# KiCad board sizif128.kicad_pcb (continued)
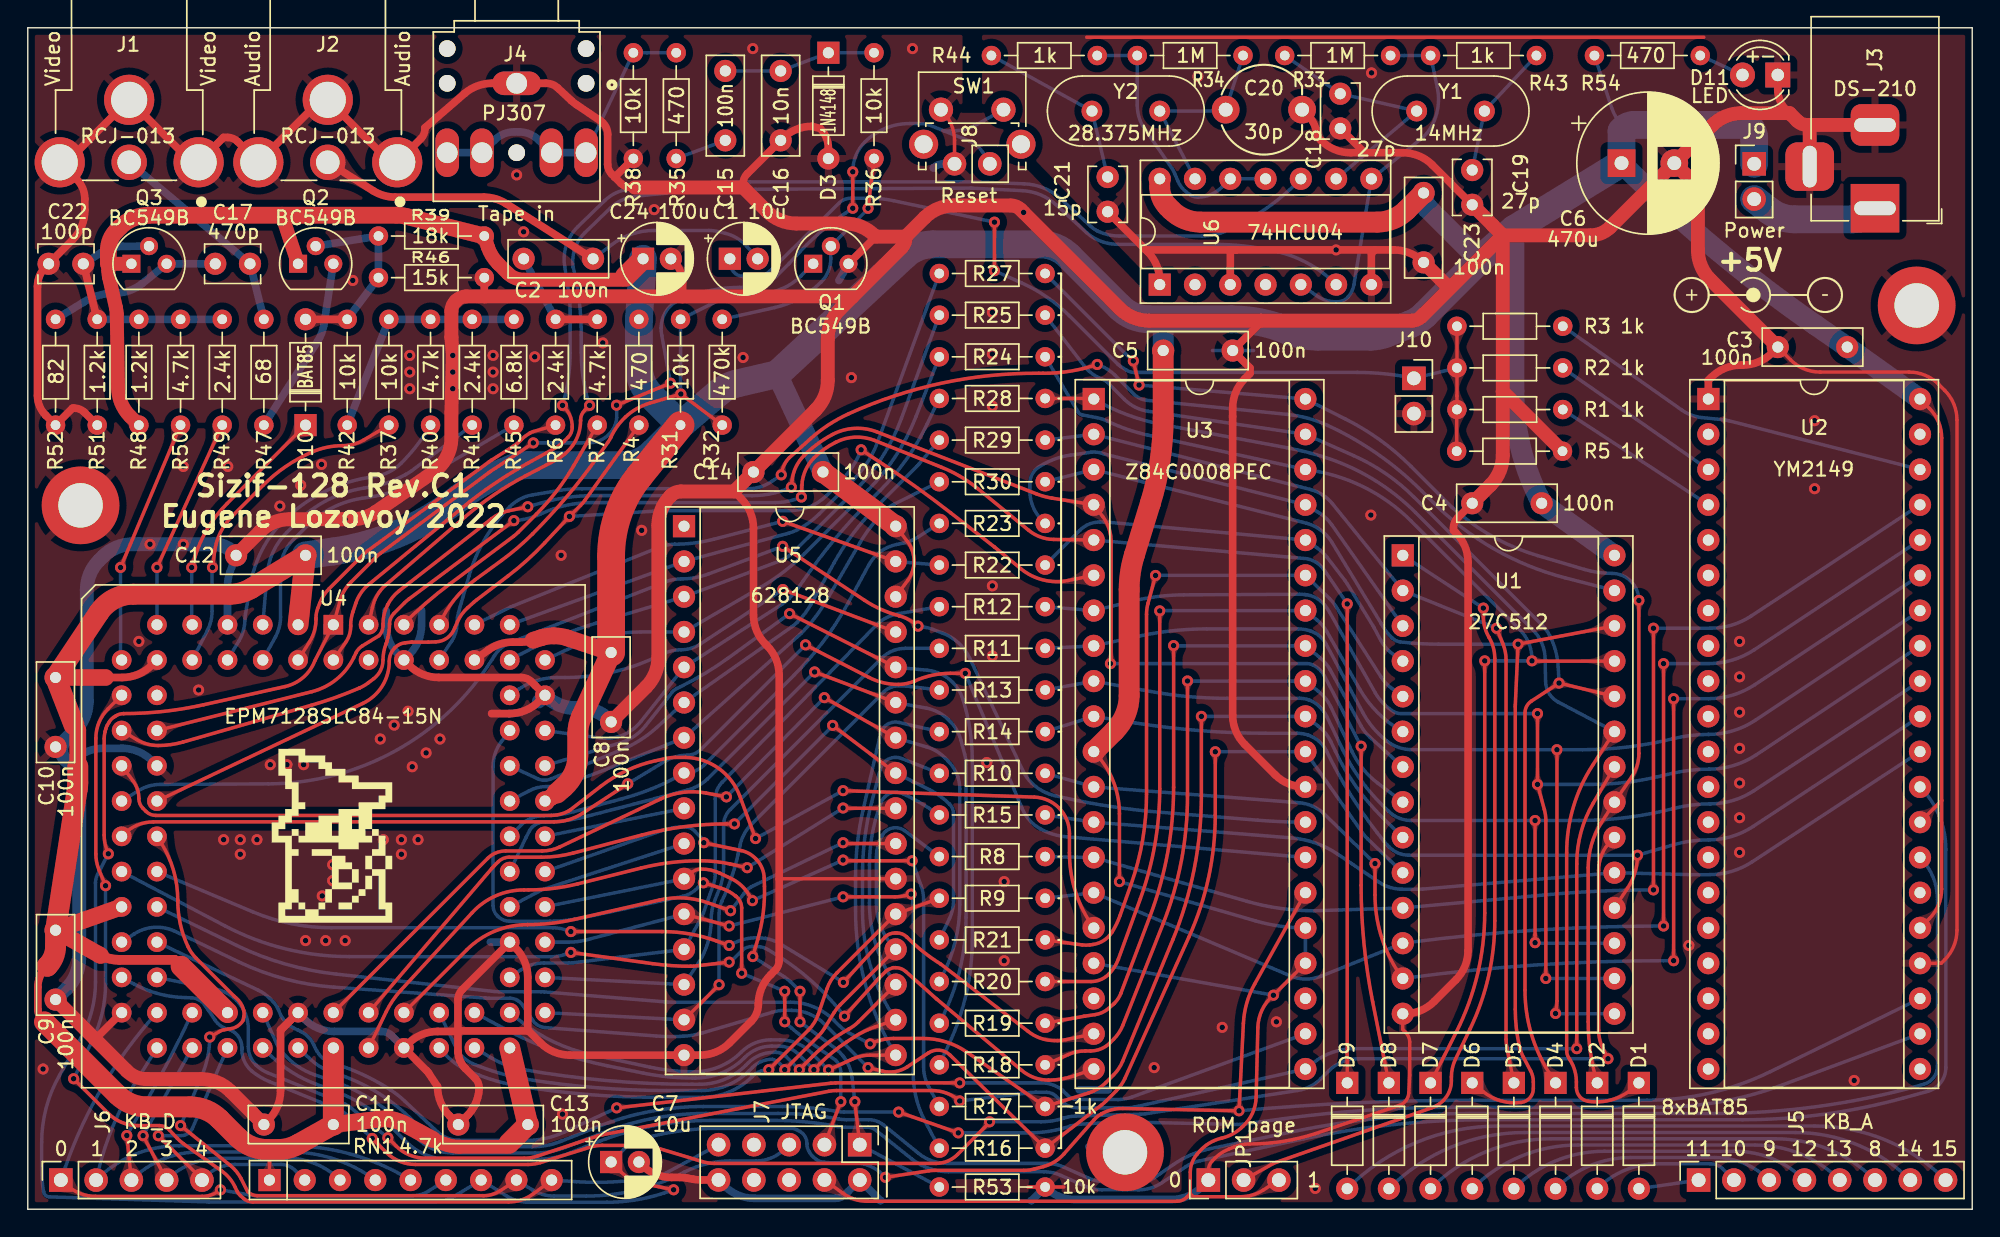
[diagram p0: board, top side]
## Copper pours and planes (outline as drawn; the poured copper is in the pictures) (continued)
A10 on Bottom: 94.18,57.4 93.92,57.54 93.71,57.66 93.54,57.78 93.39,57.9 93.26,58.03 93.15,58.16 93.03,58.3 92.91,58.46 92.78,58.64 92.62,58.85 91.63,58.54 91.98,57.56 92.24,57.56 92.47,57.56 92.67,57.56 92.85,57.56 93.02,57.54 93.19,57.52 93.38,57.47 93.58,57.4 93.81,57.3 94.07,57.18
A10 on Bottom: 78.63,61.84 78.74,61.73 78.83,61.64 78.9,61.55 78.96,61.48 79.01,61.4 79.05,61.33 79.09,61.25 79.14,61.16 79.23,60.94 79.75,60.97 79.7,61.49 79.58,61.52 79.48,61.55 79.39,61.58 79.31,61.62 79.23,61.66 79.16,61.7 79.08,61.76 79,61.83 78.91,61.92 78.81,62.02
A11 on Top: 114,7.75 114.31,7.83 115.32,8.1 115.5,8.15 115.7,8.2 115.93,8.26 116.19,8.32 116.31,9.36 115.27,9.43 115.17,9.21 115.09,9 115.01,8.82 114.92,8.65 114.83,8.51 114.72,8.38 114.58,8.26 114.41,8.16 114.2,8.07 113.94,7.99
A11 on Top: 74.64,58.52 74.48,58.53 74.34,58.56 74.23,58.59 74.14,58.64 74.05,58.69 73.97,58.75 73.88,58.82 73.79,58.89 73.68,58.96 73.56,59.03 72.9,58.4 73.56,57.77 73.68,57.84 73.79,57.91 73.88,57.98 73.97,58.05 74.05,58.11 74.14,58.16 74.23,58.21 74.34,58.24 74.48,58.27 74.64,58.27
A11 on Top: 74.35,58.27 74.64,58.27 74.89,58.25 75.1,58.23 75.28,58.19 75.45,58.13 75.61,58.07 75.77,57.99 75.94,57.89 76.14,57.78 76.37,57.66 77.15,58.34 76.44,59.1 76.2,58.99 75.99,58.89 75.8,58.81 75.64,58.73 75.47,58.67 75.3,58.62 75.11,58.58 74.9,58.55 74.65,58.53 74.35,58.52
A11 on Top: 113.48,33 113.59,33.15 113.7,33.26 113.8,33.35 113.91,33.41 114.01,33.46 114.12,33.49 114.24,33.53 114.37,33.58 114.51,33.63 114.65,33.72 114.46,34.74 113.45,34.5 113.43,34.33 113.43,34.18 113.45,34.05 113.46,33.93 113.47,33.81 113.47,33.69 113.46,33.57 113.42,33.44 113.36,33.3 113.27,33.13
A11 on Top: 75.34,58.52 75.08,58.53 74.87,58.54 74.68,58.57 74.52,58.6 74.37,58.64 74.23,58.7 74.09,58.76 73.93,58.84 73.76,58.93 73.56,59.03 72.9,58.4 73.56,57.77 73.76,57.87 73.93,57.96 74.09,58.04 74.23,58.1 74.37,58.16 74.52,58.2 74.68,58.23 74.87,58.26 75.08,58.27 75.34,58.27
A11 on Top: 75.15,58.27 75.34,58.27 75.49,58.24 75.61,58.2 75.72,58.14 75.82,58.07 75.91,58 76,57.92 76.1,57.83 76.22,57.75 76.37,57.66 77.15,58.34 76.44,59.1 76.28,59.02 76.15,58.94 76.04,58.87 75.94,58.79 75.84,58.72 75.74,58.66 75.63,58.6 75.5,58.56 75.34,58.53 75.15,58.52
A11 on Top: 113.04,32.33 113.21,32.57 113.36,32.77 113.5,32.93 113.63,33.06 113.77,33.17 113.91,33.27 114.06,33.37 114.23,33.47 114.43,33.58 114.65,33.72 114.46,34.74 113.45,34.5 113.42,34.24 113.39,34.02 113.37,33.82 113.35,33.64 113.31,33.47 113.27,33.3 113.2,33.12 113.11,32.93 112.99,32.71 112.83,32.46
A11 on Top: 114.77,8.04 114.96,8.12 115.11,8.18 115.25,8.21 115.38,8.23 115.49,8.24 115.74,8.25 115.87,8.27 116.02,8.29 116.19,8.32 116.31,9.36 115.27,9.43 115.21,9.28 115.17,9.13 115.15,9 115.12,8.87 115.1,8.76 115.06,8.65 115.01,8.54 114.93,8.44 114.82,8.35 114.66,8.26
A11 on Bottom: 78.96,57.44 78.69,57.55 78.47,57.65 78.29,57.76 78.14,57.87 78.01,57.99 77.9,58.12 77.79,58.27 77.67,58.43 77.55,58.61 77.4,58.83 76.4,58.55 76.71,57.56 76.98,57.55 77.41,57.54 77.59,57.53 77.77,57.51 77.94,57.49 78.13,57.45 78.34,57.39 78.58,57.31 78.86,57.2
A11 on Bottom: 112.77,35.03 112.94,34.93 113.06,34.84 113.15,34.74 113.22,34.64 113.28,34.54 113.33,34.43 113.38,34.32 113.43,34.2 113.5,34.07 113.6,33.93 114.59,34.21 114.27,35.2 114.1,35.2 113.95,35.18 113.82,35.16 113.7,35.13 113.58,35.11 113.46,35.1 113.34,35.1 113.21,35.12 113.06,35.17 112.89,35.25
A11 on Bottom: 112.07,35.4 112.32,35.26 112.53,35.13 112.71,35.01 112.85,34.89 112.98,34.76 113.09,34.63 113.2,34.48 113.31,34.32 113.44,34.14 113.6,33.93 114.59,34.21 114.27,35.2 114.01,35.21 113.78,35.21 113.58,35.21 113.4,35.22 113.23,35.24 113.05,35.27 112.87,35.32 112.67,35.39 112.44,35.49 112.18,35.62
A11 on Bottom: 78.22,57.74 78.06,57.83 77.93,57.92 77.84,58.01 77.77,58.1 77.71,58.21 77.66,58.31 77.62,58.43 77.56,58.55 77.49,58.68 77.4,58.83 76.4,58.55 76.71,57.56 76.88,57.56 77.03,57.57 77.17,57.59 77.29,57.62 77.41,57.64 77.53,57.65 77.65,57.65 77.79,57.63 77.94,57.59 78.12,57.52
A12 on Top: 106.41,11.42 106.46,11.13 106.5,10.89 106.51,10.67 106.5,10.49 106.49,10.31 106.45,10.14 106.41,9.96 106.36,9.77 106.29,9.55 106.23,9.3 107.08,8.71 107.64,9.58 107.48,9.79 107.34,9.97 107.22,10.12 107.11,10.27 107.01,10.41 106.93,10.57 106.85,10.74 106.78,10.94 106.72,11.18 106.66,11.47
A12 on Top: 106.31,40.8 106.26,40.93 106.22,41.04 106.19,41.15 106.16,41.24 106.15,41.32 106.14,41.41 106.14,41.5 106.14,41.59 106.14,41.7 106.15,41.82 105.67,42.04 105.48,41.55 105.57,41.47 105.65,41.4 105.72,41.33 105.78,41.26 105.83,41.2 105.88,41.12 105.93,41.04 105.98,40.95 106.03,40.83 106.08,40.7
A12 on Top: 106.57,10.64 106.6,10.45 106.6,10.29 106.58,10.16 106.55,10.04 106.5,9.94 106.45,9.83 106.39,9.72 106.33,9.6 106.28,9.46 106.23,9.3 107.08,8.71 107.64,9.58 107.53,9.71 107.43,9.82 107.32,9.91 107.23,9.98 107.14,10.06 107.06,10.14 106.98,10.24 106.92,10.36 106.86,10.5 106.81,10.68
A12 on Bottom: 75.19,55.51 75.37,55.52 75.53,55.51 75.66,55.48 75.77,55.44 75.88,55.39 75.98,55.33 76.08,55.26 76.2,55.19 76.33,55.13 76.49,55.06 77.15,55.87 76.32,56.49 76.18,56.4 76.07,56.3 75.97,56.2 75.89,56.12 75.8,56.03 75.71,55.96 75.61,55.89 75.49,55.83 75.34,55.79 75.16,55.75
A12 on Bottom: 97.9,45.72 98.01,45.57 98.09,45.43 98.14,45.3 98.16,45.18 98.17,45.07 98.17,44.95 98.17,44.83 98.18,44.69 98.19,44.54 98.22,44.38 99.25,44.25 99.34,45.28 99.18,45.35 99.04,45.39 98.91,45.42 98.79,45.45 98.67,45.48 98.56,45.51 98.45,45.56 98.34,45.63 98.22,45.73 98.1,45.87
A12 on Bottom: 79.1,55.35 78.81,55.43 78.58,55.51 78.38,55.59 78.21,55.67 78.06,55.76 77.92,55.87 77.78,55.98 77.63,56.11 77.46,56.26 77.27,56.43 76.36,55.92 76.91,55.04 77.16,55.09 77.38,55.14 77.58,55.18 77.76,55.22 77.93,55.24 78.11,55.25 78.3,55.24 78.51,55.22 78.75,55.18 79.04,55.11
A12 on Bottom: 74.39,55.41 74.68,55.44 74.93,55.45 75.14,55.45 75.33,55.43 75.5,55.4 75.67,55.35 75.85,55.3 76.03,55.23 76.24,55.15 76.49,55.06 77.15,55.87 76.32,56.49 76.1,56.35 75.91,56.22 75.75,56.11 75.59,56.02 75.44,55.93 75.28,55.86 75.1,55.8 74.9,55.75 74.65,55.7 74.36,55.66
A12 on Bottom: 97.4,46.34 97.58,46.11 97.72,45.91 97.83,45.72 97.92,45.55 97.98,45.39 98.03,45.22 98.08,45.05 98.12,44.85 98.16,44.63 98.22,44.38 99.25,44.25 99.34,45.28 99.1,45.39 98.9,45.48 98.72,45.57 98.55,45.64 98.4,45.73 98.25,45.83 98.11,45.95 97.95,46.09 97.78,46.27 97.59,46.5
A12 on Bottom: 78.32,55.55 78.14,55.6 78,55.67 77.89,55.74 77.8,55.82 77.72,55.91 77.65,56 77.57,56.1 77.49,56.21 77.39,56.32 77.27,56.43 76.36,55.92 76.91,55.04 77.07,55.08 77.21,55.13 77.34,55.18 77.45,55.23 77.56,55.28 77.67,55.32 77.79,55.35 77.92,55.35 78.08,55.34 78.26,55.31
A12 on Bottom: 100.52,44.08 100.35,44.16 100.22,44.24 100.12,44.33 100.04,44.42 99.97,44.52 99.91,44.62 99.85,44.73 99.78,44.84 99.7,44.97 99.59,45.1 98.63,44.71 99.06,43.76 99.22,43.78 99.37,43.81 99.5,43.85 99.62,43.89 99.73,43.92 99.84,43.94 99.96,43.95 100.1,43.94 100.25,43.91 100.43,43.85
A12 on Bottom: 74.62,55.69 74.45,55.68 74.32,55.68 74.2,55.71 74.1,55.74 74.01,55.78 73.92,55.84 73.83,55.89 73.73,55.95 73.61,56.01 73.48,56.06 72.9,55.36 73.63,54.81 73.75,54.9 73.85,54.98 73.93,55.06 74.01,55.13 74.08,55.21 74.16,55.27 74.25,55.33 74.35,55.38 74.48,55.41 74.64,55.44
A12 on Bottom: 104.6,42.18 104.73,42.12 104.84,42.07 104.94,42.03 105.02,41.98 105.1,41.93 105.16,41.88 105.23,41.82 105.3,41.75 105.37,41.67 105.45,41.58 105.94,41.78 105.72,42.25 105.6,42.24 105.49,42.24 105.4,42.23 105.31,42.24 105.22,42.24 105.14,42.26 105.04,42.28 104.94,42.32 104.83,42.36 104.69,42.41
A12 on Bottom: 101.26,43.79 100.99,43.9 100.77,44.01 100.59,44.11 100.43,44.22 100.29,44.33 100.17,44.45 100.04,44.58 99.91,44.73 99.77,44.9 99.59,45.1 98.63,44.71 99.06,43.76 99.32,43.78 99.54,43.8 99.74,43.82 99.92,43.83 100.09,43.83 100.27,43.82 100.46,43.79 100.66,43.73 100.9,43.66 101.17,43.55
A12 on Bottom: 75.31,55.77 75.06,55.75 74.84,55.74 74.65,55.74 74.49,55.75 74.34,55.78 74.19,55.81 74.04,55.86 73.88,55.92 73.69,55.99 73.48,56.06 72.9,55.36 73.63,54.81 73.82,54.93 73.98,55.04 74.13,55.14 74.26,55.22 74.4,55.29 74.54,55.35 74.69,55.41 74.87,55.45 75.09,55.49 75.34,55.52
A13 on Top: 111.92,41.45 112.2,41.5 112.45,41.53 112.66,41.54 112.85,41.54 113.03,41.51 113.2,41.48 113.37,41.44 113.56,41.38 113.78,41.32 114.03,41.25 114.63,42.09 113.76,42.66 113.56,42.5 113.38,42.37 113.22,42.24 113.07,42.14 112.93,42.04 112.77,41.96 112.6,41.89 112.39,41.82 112.16,41.76 111.87,41.7
A13 on Top: 107.37,39.51 107.38,39.65 107.39,39.77 107.4,39.88 107.42,39.97 107.44,40.06 107.47,40.14 107.5,40.22 107.54,40.3 107.59,40.4 107.65,40.51 107.31,40.9 106.93,40.54 106.98,40.43 107.02,40.33 107.06,40.24 107.08,40.15 107.1,40.07 107.12,39.98 107.12,39.89 107.13,39.78 107.13,39.66 107.12,39.52
A13 on Top: 105.53,8.14 105.35,8.25 105.21,8.35 105.11,8.46 105.03,8.57 104.98,8.69 104.93,8.82 104.89,8.96 104.85,9.11 104.8,9.27 104.72,9.44 103.69,9.35 103.82,8.32 104.02,8.28 104.19,8.25 104.34,8.23 104.48,8.21 104.61,8.2 104.74,8.17 104.88,8.14 105.04,8.08 105.21,8.01 105.42,7.92
A13 on Top: 112.7,41.6 112.89,41.63 113.04,41.63 113.18,41.61 113.29,41.58 113.4,41.53 113.51,41.48 113.61,41.42 113.73,41.36 113.87,41.3 114.03,41.25 114.63,42.09 113.76,42.66 113.63,42.55 113.53,42.45 113.44,42.35 113.36,42.26 113.28,42.17 113.2,42.08 113.1,42.01 112.98,41.95 112.84,41.89 112.65,41.85
A13 on Top: 106.26,7.88 105.97,7.97 105.73,8.06 105.53,8.17 105.38,8.29 105.25,8.43 105.13,8.59 105.04,8.77 104.94,8.97 104.84,9.2 104.72,9.44 103.69,9.35 103.82,8.32 104.11,8.25 104.36,8.18 104.58,8.12 104.77,8.06 105.15,7.93 105.36,7.87 105.59,7.8 105.87,7.72 106.2,7.64
A13 on Bottom: 74.46,52.58 74.75,52.64 74.99,52.69 75.2,52.71 75.39,52.71 75.57,52.7 75.74,52.68 75.92,52.65 76.11,52.6 76.33,52.55 76.59,52.5 77.14,53.38 76.24,53.89 76.04,53.72 75.87,53.58 75.72,53.44 75.58,53.33 75.44,53.23 75.29,53.14 75.12,53.05 74.92,52.97 74.68,52.9 74.4,52.82
A13 on Bottom: 106.11,40.57 106.25,40.57 106.38,40.57 106.48,40.56 106.58,40.55 106.66,40.53 106.75,40.51 106.83,40.48 106.92,40.44 107.01,40.39 107.13,40.34 107.5,40.7 107.13,41.06 107.01,41.01 106.92,40.96 106.83,40.92 106.75,40.89 106.66,40.87 106.58,40.85 106.48,40.84 106.38,40.83 106.25,40.83 106.11,40.82
A13 on Bottom: 75.24,52.77 75.42,52.81 75.58,52.82 75.71,52.81 75.83,52.78 75.94,52.74 76.05,52.69 76.16,52.64 76.28,52.59 76.42,52.54 76.59,52.5 77.14,53.38 76.24,53.89 76.11,53.78 76.01,53.67 75.93,53.56 75.85,53.46 75.78,53.37 75.7,53.28 75.61,53.2 75.5,53.13 75.36,53.07 75.18,53.01
A13 on Bottom: 79.1,52.82 78.82,52.89 78.58,52.97 78.38,53.05 78.21,53.13 78.06,53.23 77.92,53.33 77.78,53.44 77.63,53.57 77.46,53.72 77.26,53.89 76.36,53.38 76.91,52.5 77.17,52.55 77.39,52.6 77.58,52.65 77.76,52.68 77.93,52.7 78.11,52.71 78.3,52.71 78.51,52.68 78.75,52.64 79.04,52.57
A13 on Bottom: 74.57,52.86 74.41,52.83 74.27,52.82 74.16,52.82 74.05,52.85 73.96,52.88 73.86,52.92 73.76,52.96 73.66,53.01 73.53,53.05 73.39,53.09 72.91,52.31 73.7,51.86 73.81,51.96 73.9,52.06 73.97,52.15 74.03,52.23 74.1,52.31 74.17,52.39 74.25,52.45 74.35,52.52 74.47,52.57 74.63,52.62
A13 on Bottom: 78.32,53.01 78.14,53.07 78,53.13 77.89,53.2 77.8,53.28 77.72,53.37 77.65,53.46 77.57,53.56 77.49,53.67 77.39,53.78 77.26,53.89 76.36,53.38 76.91,52.5 77.08,52.54 77.22,52.59 77.34,52.64 77.45,52.69 77.56,52.74 77.67,52.78 77.79,52.81 77.92,52.82 78.08,52.81 78.26,52.77
A13 on Bottom: 75.25,53.03 75,52.97 74.78,52.93 74.6,52.91 74.43,52.9 74.28,52.91 74.13,52.93 73.97,52.96 73.81,52.99 73.61,53.04 73.39,53.09 72.91,52.31 73.7,51.86 73.87,52.01 74.02,52.14 74.15,52.25 74.28,52.35 74.4,52.44 74.53,52.52 74.68,52.59 74.85,52.66 75.06,52.72 75.31,52.79
A14 on Top: 77.9,49.26 77.81,49.47 77.75,49.66 77.71,49.82 77.68,49.96 77.65,50.1 77.63,50.23 77.62,50.37 77.6,50.52 77.57,50.7 77.53,50.9 76.51,51.06 76.39,50.03 76.56,49.95 76.73,49.89 77.02,49.8 77.15,49.75 77.27,49.69 77.38,49.61 77.48,49.5 77.58,49.35 77.66,49.17
A14 on Top: 75.16,50.87 75.34,50.83 75.49,50.78 75.61,50.72 75.71,50.64 75.79,50.57 75.87,50.48 75.96,50.39 76.05,50.29 76.16,50.19 76.29,50.08 77.14,50.68 76.52,51.51 76.36,51.45 76.22,51.39 76.11,51.32 76,51.26 75.9,51.2 75.79,51.15 75.67,51.12 75.54,51.1 75.39,51.09 75.2,51.11
A14 on Top: 11.34,35.12 11.08,35.06 10.87,35.02 10.68,35 10.51,34.99 10.35,35 10.2,35.02 10.04,35.05 9.87,35.08 9.67,35.13 9.44,35.18 8.96,34.39 9.76,33.93 9.93,34.08 10.08,34.22 10.22,34.33 10.35,34.43 10.47,34.52 10.61,34.6 10.76,34.67 10.94,34.74 11.15,34.81 11.4,34.88
A14 on Top: 78.1,48.45 78.06,48.79 78,49.07 77.94,49.3 77.88,49.51 77.82,49.7 77.75,49.88 77.69,50.08 77.64,50.29 77.59,50.54 77.54,50.83 76.51,51.06 76.39,50.03 76.63,49.91 76.86,49.8 77.06,49.69 77.24,49.59 77.39,49.47 77.53,49.33 77.64,49.16 77.74,48.96 77.81,48.72 77.86,48.43
A14 on Top: 97.57,10.63 97.59,10.45 97.6,10.29 97.58,10.16 97.55,10.04 97.5,9.93 97.45,9.83 97.39,9.72 97.33,9.6 97.28,9.46 97.23,9.3 98.08,8.71 98.64,9.58 98.53,9.71 98.42,9.82 98.32,9.91 98.23,9.99 98.14,10.06 98.05,10.14 97.98,10.24 97.91,10.36 97.86,10.5 97.81,10.68
A14 on Top: 97.41,11.42 97.46,11.13 97.49,10.89 97.51,10.67 97.5,10.48 97.48,10.31 97.45,10.14 97.41,9.96 97.35,9.77 97.29,9.55 97.23,9.3 98.08,8.71 98.64,9.58 98.48,9.79 98.34,9.97 98.21,10.12 98.11,10.27 98.01,10.41 97.93,10.57 97.85,10.74 97.78,10.94 97.72,11.18 97.65,11.47
A14 on Top: 96.12,32.16 96.13,32.3 96.13,32.43 96.14,32.53 96.15,32.63 96.17,32.71 96.19,32.8 96.22,32.88 96.26,32.97 96.31,33.06 96.36,33.18 96,33.55 95.64,33.18 95.69,33.06 95.74,32.97 95.78,32.88 95.81,32.8 95.83,32.71 95.85,32.63 95.86,32.53 95.87,32.43 95.87,32.3 95.88,32.16
A14 on Top: 74.37,50.99 74.66,50.94 74.9,50.89 75.1,50.82 75.28,50.76 75.44,50.68 75.59,50.59 75.74,50.49 75.9,50.37 76.08,50.24 76.29,50.08 77.14,50.68 76.52,51.51 76.27,51.43 76.06,51.36 75.87,51.3 75.69,51.25 75.52,51.21 75.35,51.18 75.16,51.17 74.95,51.18 74.7,51.2 74.41,51.24
A14 on Top: 55.11,53.33 55.05,53.17 55,53.04 54.93,52.82 54.89,52.73 54.86,52.64 54.82,52.55 54.77,52.45 54.71,52.34 54.64,52.22 54.95,51.81 55.35,52.14 55.31,52.26 55.27,52.37 55.24,52.48 55.22,52.57 55.21,52.66 55.21,52.76 55.23,52.86 55.25,52.97 55.29,53.09 55.34,53.24
A14 on Top: 10.65,34.95 10.48,34.91 10.35,34.9 10.23,34.91 10.12,34.93 10.02,34.96 9.92,35.01 9.82,35.05 9.72,35.1 9.59,35.14 9.44,35.18 8.96,34.39 9.76,33.93 9.87,34.04 9.96,34.13 10.03,34.23 10.1,34.31 10.16,34.39 10.24,34.47 10.32,34.54 10.42,34.6 10.55,34.66 10.71,34.7
A14 on Bottom: 37.8,51.21 37.57,51.16 37.36,51.11 37.19,51.06 37.04,51.02 36.89,50.98 36.75,50.96 36.61,50.95 36.45,50.95 36.27,50.96 36.07,50.99 35.81,50.55 36.27,50.3 36.42,50.43 36.56,50.54 36.69,50.63 36.82,50.69 36.95,50.75 37.09,50.79 37.24,50.84 37.42,50.87 37.85,50.97
A14 on Bottom: 79.14,39.42 79,39.43 78.87,39.43 78.77,39.44 78.67,39.45 78.59,39.47 78.51,39.49 78.42,39.52 78.33,39.56 78.24,39.61 78.12,39.66 77.75,39.3 78.12,38.94 78.24,38.99 78.33,39.04 78.42,39.08 78.51,39.11 78.59,39.13 78.67,39.15 78.77,39.16 78.87,39.17 79,39.17 79.14,39.17
A14 on Bottom: 95.34,34.35 95.4,34.22 95.46,34.11 95.5,34.01 95.53,33.92 95.55,33.84 95.57,33.75 95.58,33.67 95.59,33.57 95.6,33.46 95.6,33.34 96.09,33.17 96.24,33.67 96.14,33.75 96.05,33.81 95.98,33.87 95.91,33.93 95.86,33.99 95.8,34.06 95.75,34.14 95.69,34.23 95.63,34.34 95.56,34.46
A14 on Bottom: 53.87,51.49 54.01,51.53 54.14,51.56 54.24,51.58 54.34,51.6 54.43,51.61 54.52,51.62 54.61,51.62 54.71,51.62 54.82,51.62 54.95,51.61 55.16,52.08 54.68,52.28 54.6,52.19 54.52,52.11 54.45,52.04 54.39,51.98 54.32,51.93 54.24,51.89 54.16,51.84 54.06,51.81 53.94,51.77 53.8,51.73
A15 on Top: 94.88,11.49 94.87,11.2 94.85,10.95 94.82,10.74 94.78,10.56 94.73,10.39 94.67,10.23 94.59,10.06 94.5,9.88 94.4,9.68 94.28,9.45 95,8.7 95.72,9.45 95.6,9.68 95.5,9.88 95.41,10.06 95.33,10.23 95.27,10.39 95.22,10.56 95.18,10.74 95.15,10.95 95.13,11.2 95.12,11.49
A15 on Top: 55.76,52.97 55.7,52.77 55.66,52.59 55.63,52.44 55.6,52.3 55.58,52.17 55.56,52.05 55.53,51.93 55.49,51.8 55.43,51.65 55.35,51.49 55.69,51.1 56.07,51.46 56,51.62 55.95,51.76 55.9,51.89 55.88,52.01 55.86,52.13 55.86,52.25 55.87,52.39 55.9,52.54 55.94,52.7 56,52.89
A15 on Top: 94.88,10.69 94.87,10.5 94.84,10.35 94.8,10.22 94.74,10.11 94.68,10.02 94.6,9.92 94.53,9.83 94.44,9.72 94.36,9.6 94.28,9.45 95,8.7 95.72,9.45 95.64,9.6 95.56,9.72 95.47,9.83 95.4,9.92 95.32,10.02 95.26,10.11 95.2,10.22 95.16,10.35 95.13,10.5 95.12,10.69
A15 on Top: 75.16,48.1 75.35,48.09 75.5,48.06 75.63,48.01 75.73,47.96 75.83,47.89 75.92,47.82 76.02,47.74 76.12,47.65 76.24,47.57 76.39,47.49 77.15,48.19 76.41,48.93 76.26,48.85 76.14,48.77 76.03,48.69 75.93,48.61 75.84,48.54 75.74,48.47 75.63,48.42 75.5,48.38 75.35,48.36 75.16,48.35
A15 on Top: 8.52,33.66 8.3,33.74 8.13,33.82 7.99,33.91 7.88,34.02 7.79,34.13 7.71,34.25 7.63,34.38 7.55,34.53 7.46,34.69 7.36,34.87 6.46,34.66 6.69,33.77 6.91,33.75 7.09,33.73 7.26,33.71 7.4,33.69 7.54,33.67 7.69,33.64 7.84,33.6 8.01,33.55 8.21,33.49 8.44,33.42
A15 on Top: 74.36,48.11 74.65,48.1 74.9,48.08 75.11,48.05 75.29,48.01 75.46,47.95 75.62,47.88 75.78,47.8 75.96,47.71 76.16,47.6 76.39,47.49 77.15,48.19 76.41,48.93 76.18,48.81 75.97,48.71 75.8,48.63 75.63,48.55 75.47,48.49 75.3,48.44 75.11,48.4 74.9,48.38 74.65,48.36 74.36,48.36
A15 on Top: 95.12,42.41 95.13,42.55 95.13,42.68 95.14,42.78 95.15,42.88 95.17,42.96 95.19,43.05 95.22,43.13 95.26,43.22 95.31,43.31 95.36,43.43 95,43.8 94.64,43.43 94.69,43.31 94.74,43.22 94.78,43.13 94.81,43.05 94.83,42.96 94.85,42.88 94.86,42.78 94.87,42.68 94.87,42.55 94.88,42.41
A15 on Top: 34.12,48.79 34.24,48.87 34.34,48.94 34.43,49 34.51,49.05 34.59,49.08 34.67,49.11 34.76,49.14 34.85,49.16 34.95,49.18 35.08,49.21 35.16,49.72 34.64,49.78 34.59,49.67 34.54,49.58 34.49,49.5 34.44,49.42 34.39,49.35 34.33,49.29 34.26,49.22 34.18,49.15 34.09,49.08 33.97,48.99
A15 on Top: 9.19,33.53 8.88,33.57 8.61,33.62 8.4,33.7 8.21,33.8 8.05,33.92 7.91,34.06 7.78,34.23 7.65,34.42 7.51,34.63 7.36,34.87 6.46,34.66 6.71,33.77 7.01,33.74 7.27,33.7 7.49,33.65 7.69,33.59 7.88,33.53 8.08,33.47 8.3,33.41 8.54,33.36 8.83,33.31 9.17,33.28
A15 on Bottom: 79.14,48.12 78.85,48.15 78.61,48.19 78.4,48.23 78.22,48.29 78.06,48.36 77.9,48.43 77.74,48.53 77.57,48.63 77.38,48.75 77.16,48.89 76.35,48.23 77.03,47.45 77.28,47.55 77.49,47.63 77.67,47.71 77.84,47.77 78.01,47.82 78.18,47.86 78.37,47.88 78.58,47.89 78.83,47.89 79.12,47.87
A15 on Bottom: 78.34,48.19 78.16,48.21 78.01,48.25 77.89,48.31 77.78,48.37 77.69,48.44 77.6,48.52 77.52,48.61 77.42,48.7 77.3,48.79 77.16,48.89 76.35,48.23 77.03,47.45 77.19,47.52 77.32,47.59 77.43,47.66 77.54,47.73 77.63,47.8 77.74,47.85 77.85,47.9 77.98,47.93 78.14,47.94 78.32,47.94
A15 on Bottom: 36.15,49.92 36.01,49.89 35.89,49.86 35.79,49.84 35.7,49.84 35.61,49.84 35.53,49.85 35.44,49.87 35.35,49.9 35.25,49.93 35.14,49.98 34.8,49.58 35.21,49.26 35.32,49.33 35.42,49.38 35.5,49.43 35.58,49.47 35.66,49.5 35.75,49.54 35.84,49.57 35.95,49.6 36.07,49.64 36.21,49.68
A15 on Bottom: 94.23,44.52 94.31,44.4 94.37,44.29 94.43,44.2 94.47,44.11 94.5,44.03 94.53,43.95 94.55,43.87 94.57,43.77 94.59,43.67 94.6,43.54 95.11,43.43 95.2,43.95 95.09,44.01 95,44.06 94.92,44.12 94.85,44.17 94.78,44.22 94.72,44.28 94.66,44.35 94.59,44.44 94.52,44.54 94.44,44.66
AY_BC1 on Bottom: 137.33,29.22 137.23,29.4 137.17,29.55 137.13,29.69 137.1,29.81 137.09,29.93 137.08,30.18 137.07,30.31 137.05,30.46 137.01,30.63 135.98,30.72 135.93,29.68 136.08,29.63 136.23,29.59 136.36,29.56 136.48,29.54 136.6,29.52 136.7,29.48 136.81,29.43 136.91,29.35 137.01,29.24 137.11,29.1
AY_BC1 on Bottom: 18.63,10.28 18.42,10.44 18.25,10.58 18.12,10.72 18.01,10.85 17.93,10.99 17.86,11.13 17.79,11.28 17.73,11.45 17.67,11.64 17.59,11.86 16.66,11.87 16.7,10.94 17.12,10.8 17.3,10.75 17.45,10.69 17.6,10.62 17.75,10.55 17.9,10.47 18.07,10.36 18.26,10.23 18.49,10.08
AY_BC1 on Bottom: 137.69,28.5 137.57,28.78 137.48,29.02 137.4,29.23 137.34,29.42 137.29,29.59 137.24,29.77 137.19,29.95 137.14,30.14 137.08,30.37 137.01,30.63 135.98,30.72 135.93,29.68 136.16,29.59 136.36,29.51 136.55,29.43 136.71,29.35 136.85,29.26 136.99,29.15 137.11,29.02 137.23,28.85 137.35,28.65 137.47,28.4
AY_BC1 on Bottom: 18.08,10.71 17.95,10.83 17.86,10.93 17.79,11.04 17.75,11.14 17.72,11.24 17.7,11.35 17.69,11.46 17.67,11.58 17.63,11.72 17.59,11.86 16.66,11.87 16.7,10.94 16.85,10.9 16.98,10.87 17.1,10.85 17.22,10.84 17.32,10.82 17.43,10.8 17.54,10.76 17.65,10.7 17.78,10.63 17.92,10.52
AY_BDIR on Bottom: 137.51,23.3 137.44,23.6 137.38,23.86 137.33,24.08 137.29,24.28 137.18,24.82 137.13,25.02 137.08,25.25 137.02,25.52 135.98,25.65 135.91,24.61 136.13,24.51 136.33,24.42 136.5,24.34 136.66,24.25 136.8,24.15 136.92,24.03 137.02,23.88 137.12,23.71 137.2,23.5 137.27,23.24
AY_BDIR on Bottom: 17.61,12.91 17.55,13.07 17.52,13.2 17.5,13.32 17.51,13.43 17.52,13.53 17.55,13.64 17.57,13.74 17.6,13.86 17.62,13.99 17.63,14.14 16.77,14.48 16.46,13.62 16.58,13.52 16.69,13.45 16.8,13.39 16.89,13.34 16.99,13.29 17.07,13.24 17.15,13.17 17.23,13.08 17.31,12.96 17.39,12.81
AY_BDIR on Bottom: 17.91,12.26 17.8,12.5 17.73,12.71 17.67,12.89 17.63,13.06 17.61,13.21 17.61,13.37 17.61,13.53 17.61,13.71 17.62,13.91 17.63,14.14 16.77,14.48 16.46,13.62 16.64,13.47 16.8,13.34 16.93,13.23 17.05,13.12 17.16,13.01 17.27,12.89 17.36,12.76 17.46,12.59 17.57,12.4 17.68,12.16
AY_BDIR on Bottom: 137.25,24.08 137.18,24.26 137.13,24.43 137.1,24.57 137.09,24.7 137.08,24.82 137.08,24.94 137.08,25.07 137.07,25.2 137.05,25.36 137.02,25.53 135.98,25.65 135.91,24.61 136.06,24.55 136.2,24.51 136.33,24.48 136.45,24.46 136.56,24.43 136.67,24.39 136.77,24.33 136.86,24.25 136.94,24.13 137.02,23.98
AY_CLK on Top: 63.86,6.73 63.73,6.77 63.61,6.82 63.52,6.86 63.43,6.91 63.36,6.95 63.29,7 63.22,7.06 63.15,7.12 63.07,7.19 62.98,7.28 62.51,7.07 62.75,6.6 62.87,6.62 62.98,6.63 63.07,6.63 63.16,6.63 63.25,6.63 63.33,6.62 63.43,6.6 63.53,6.57 63.65,6.54 63.78,6.49
AY_CLK on Top: 65.84,5.77 65.97,5.73 66.09,5.68 66.18,5.64 66.27,5.59 66.34,5.55 66.41,5.5 66.48,5.44 66.55,5.38 66.63,5.31 66.72,5.22 67.19,5.43 66.95,5.9 66.83,5.88 66.72,5.87 66.63,5.87 66.54,5.87 66.45,5.87 66.37,5.88 66.27,5.9 66.17,5.93 66.05,5.96 65.92,6.01
AY_CLK on Bottom: 134.04,11.69 134.32,11.79 134.56,11.86 134.76,11.9 134.95,11.93 135.13,11.94 135.3,11.93 135.48,11.92 135.68,11.9 135.91,11.87 136.16,11.84 136.61,12.78 135.66,13.19 135.48,13 135.33,12.84 135.2,12.69 135.07,12.56 134.94,12.44 134.8,12.34 134.64,12.23 134.45,12.13 134.23,12.03 133.96,11.92
AY_CLK on Bottom: 21.62,10.11 21.33,10.25 21.09,10.39 20.9,10.53 20.74,10.67 20.62,10.82 20.51,10.99 20.41,11.17 20.32,11.38 20.23,11.62 20.12,11.88 19.2,11.86 19.26,10.94 19.55,10.85 19.79,10.76 19.99,10.67 20.18,10.58 20.36,10.49 20.73,10.28 20.95,10.16 21.21,10.03 21.52,9.88
AY_CLK on Bottom: 134.79,11.97 134.97,12.02 135.13,12.05 135.26,12.06 135.38,12.04 135.49,12.02 135.61,11.98 135.72,11.94 135.85,11.9 136,11.87 136.16,11.84 136.61,12.78 135.66,13.19 135.55,13.07 135.46,12.95 135.39,12.83 135.33,12.72 135.27,12.62 135.2,12.53 135.12,12.44 135.01,12.36 134.88,12.28 134.71,12.2
AY_CLK on Bottom: 68.19,5.62 68.05,5.63 67.92,5.63 67.82,5.64 67.72,5.65 67.64,5.67 67.55,5.69 67.47,5.72 67.38,5.76 67.29,5.81 67.17,5.86 66.8,5.5 67.17,5.14 67.29,5.19 67.38,5.24 67.47,5.28 67.55,5.31 67.64,5.33 67.72,5.35 67.82,5.36 67.92,5.37 68.05,5.37 68.19,5.38
AY_CLK on Bottom: 61.51,6.88 61.65,6.87 61.78,6.87 61.88,6.86 61.98,6.85 62.06,6.83 62.15,6.81 62.23,6.78 62.32,6.74 62.41,6.69 62.53,6.64 62.9,7 62.53,7.36 62.41,7.31 62.32,7.26 62.23,7.22 62.15,7.19 62.06,7.17 61.98,7.15 61.88,7.14 61.78,7.13 61.65,7.13 61.51,7.12
AY_CLK on Bottom: 21.02,10.44 20.83,10.58 20.68,10.71 20.56,10.83 20.47,10.95 20.41,11.08 20.35,11.21 20.3,11.36 20.25,11.51 20.19,11.69 20.12,11.88 19.2,11.86 19.26,10.94 19.46,10.88 19.64,10.83 19.8,10.78 19.94,10.73 20.07,10.69 20.2,10.63 20.34,10.56 20.5,10.47 20.67,10.37 20.88,10.23
BEEPER on Top: 20.11,40.83 20.02,40.69 19.93,40.59 19.83,40.51 19.74,40.45 19.65,40.41 19.55,40.37 19.45,40.33 19.34,40.29 19.22,40.24 19.08,40.16 19.27,39.26 20.17,39.48 20.18,39.63 20.18,39.76 20.17,39.88 20.15,39.99 20.15,40.09 20.15,40.2 20.16,40.3 20.19,40.42 20.24,40.55 20.33,40.69
BEEPER on Top: 36.7,55.97 36.86,56.01 36.99,56.03 37.11,56.02 37.22,56.01 37.31,55.98 37.41,55.94 37.51,55.9 37.62,55.86 37.74,55.82 37.88,55.79 38.34,56.58 37.53,57 37.43,56.9 37.34,56.8 37.27,56.71 37.21,56.62 37.15,56.54 37.08,56.46 37,56.39 36.91,56.33 36.78,56.27 36.63,56.21
BEEPER on Top: 20.61,42.21 20.57,41.86 20.5,41.57 20.41,41.32 20.3,41.11 20.16,40.93 20,40.77 19.81,40.63 19.6,40.48 19.36,40.33 19.08,40.16 19.27,39.26 20.17,39.5 20.21,39.83 20.27,40.11 20.34,40.35 20.42,40.57 20.51,40.78 20.6,40.99 20.68,41.23 20.75,41.49 20.82,41.81 20.86,42.19
BEEPER on Top: 35.24,54.87 35.46,55.19 35.69,55.44 35.91,55.63 36.15,55.76 36.39,55.85 36.65,55.89 36.92,55.9 37.21,55.89 37.53,55.85 37.88,55.79 38.34,56.58 37.41,56.86 37.19,56.57 36.97,56.36 36.73,56.21 36.5,56.09 36.26,55.99 36.01,55.89 35.77,55.75 35.52,55.58 35.27,55.33 35.03,55
